# KiCad board rabbit_mask.kicad_pcb (continued)
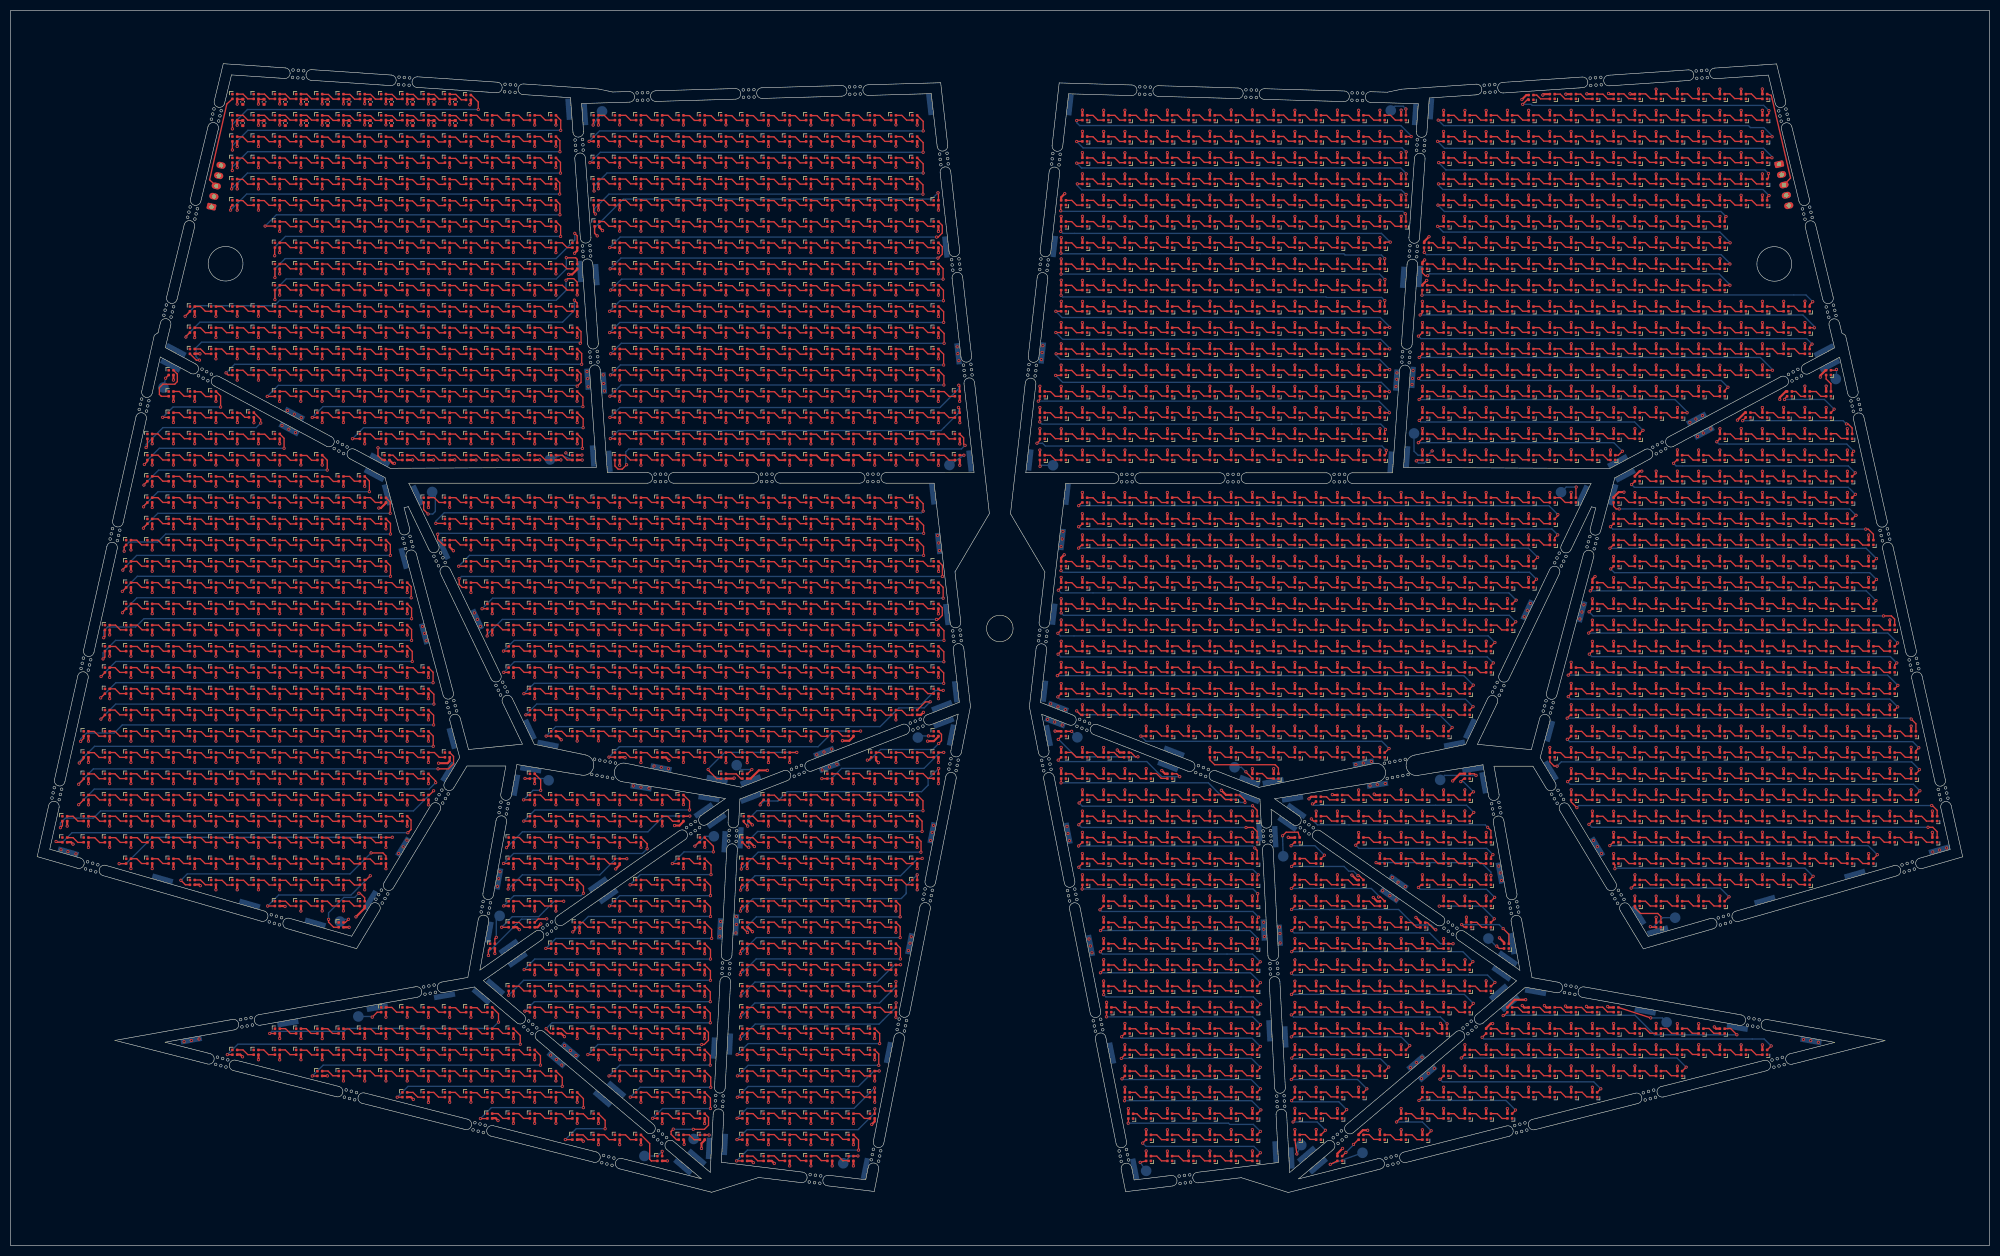
[diagram p0: board, top side]
## Nets (continued)
Net-(D2337-DIN): D2337.1 D2338.3
Net-(D2338-DIN): D2338.1 D2339.3
Net-(D2339-DIN): D2339.1 D2340.3
Net-(D2340-DIN): D2340.1 D2341.3
Net-(D2341-DIN): D2341.1 D2342.3
Net-(D2342-DIN): D2342.1 D2343.3
Net-(D2343-DIN): D2343.1 D2344.3
Net-(D2344-DIN): D2344.1 D2345.3
Net-(D2345-DIN): D2345.1 D2346.3
Net-(D2346-DIN): D2346.1 D2347.3
Net-(D2347-DIN): D2347.1 D2348.3
Net-(D2348-DIN): D2348.1 D2349.3
Net-(D2349-DIN): D2349.1 D2350.3
Net-(D2350-DIN): D2350.1 D2351.3
Net-(D2352-DIN): D2352.1 D2353.3
Net-(D2352-DOUT): D2352.3 D2403.1
Net-(D2353-DIN): D2353.1 D2354.3
Net-(D2354-DIN): D2354.1 D2355.3
Net-(D2355-DIN): D2355.1 D2356.3
Net-(D2356-DIN): D2356.1 D2357.3
Net-(D2357-DIN): D2357.1 D2358.3
Net-(D2358-DIN): D2358.1 D2359.3
Net-(D2359-DIN): D2359.1 D2360.3
Net-(D2360-DIN): D2360.1 D2361.3
Net-(D2361-DIN): D2361.1 D2362.3
Net-(D2362-DIN): D2362.1 D2363.3
Net-(D2363-DIN): D2363.1 D2364.3
Net-(D2364-DIN): D2364.1 D2365.3
Net-(D2365-DIN): D2365.1 D2366.3
Net-(D2367-DIN): D2367.1 D2368.3
Net-(D2367-DOUT): D2367.3 D2423.1
Net-(D2368-DIN): D2368.1 D2369.3
Net-(D2369-DIN): D2369.1 D2370.3
Net-(D2370-DIN): D2370.1 D2371.3
Net-(D2371-DIN): D2371.1 D2372.3
Net-(D2372-DIN): D2372.1 D2373.3
Net-(D2373-DIN): D2373.1 D2374.3
Net-(D2374-DIN): D2374.1 D2375.3
Net-(D2375-DIN): D2375.1 D2376.3
Net-(D2376-DIN): D2376.1 D2377.3
Net-(D2377-DIN): D2377.1 D2378.3
Net-(D2378-DIN): D2378.1 D2379.3
Net-(D2379-DIN): D2379.1 D2380.3
Net-(D2380-DIN): D2380.1 D2381.3
Net-(D2381-DIN): D2381.1 D2382.3
Net-(D2382-DIN): D2382.1 D2383.3
Net-(D2383-DIN): D2383.1 D2384.3
Net-(D2384-DIN): D2384.1 D2385.3
Net-(D2385-DIN): D2385.1 D2386.3
Net-(D2386-DIN): D2386.1 D2387.3
Net-(D2388-DIN): D2388.1 D2389.3
Net-(D2388-DOUT): D2388.3 D2439.1
Net-(D2389-DIN): D2389.1 D2390.3
Net-(D2390-DIN): D2390.1 D2391.3
Net-(D2391-DIN): D2391.1 D2392.3
Net-(D2392-DIN): D2392.1 D2393.3
Net-(D2393-DIN): D2393.1 D2394.3
Net-(D2394-DIN): D2394.1 D2395.3
Net-(D2395-DIN): D2395.1 D2396.3
Net-(D2396-DIN): D2396.1 D2397.3
Net-(D2397-DIN): D2397.1 D2398.3
Net-(D2398-DIN): D2398.1 D2399.3
Net-(D2399-DIN): D2399.1 D2400.3
Net-(D2400-DIN): D2400.1 D2401.3
Net-(D2401-DIN): D2401.1 D2402.3
Net-(D2402-DIN): D2402.1 D2403.3
Net-(D2404-DIN): D2404.1 D2405.3
Net-(D2404-DOUT): D2404.3 D2458.1
Net-(D2405-DIN): D2405.1 D2406.3
Net-(D2406-DIN): D2406.1 D2407.3
Net-(D2407-DIN): D2407.1 D2408.3
Net-(D2408-DIN): D2408.1 D2409.3
Net-(D2409-DIN): D2409.1 D2410.3
Net-(D2410-DIN): D2410.1 D2411.3
Net-(D2411-DIN): D2411.1 D2412.3
Net-(D2412-DIN): D2412.1 D2413.3
Net-(D2413-DIN): D2413.1 D2414.3
Net-(D2414-DIN): D2414.1 D2415.3
Net-(D2415-DIN): D2415.1 D2416.3
Net-(D2416-DIN): D2416.1 D2417.3
Net-(D2417-DIN): D2417.1 D2418.3
Net-(D2418-DIN): D2418.1 D2419.3
Net-(D2419-DIN): D2419.1 D2420.3
Net-(D2420-DIN): D2420.1 D2421.3
Net-(D2421-DIN): D2421.1 D2422.3
Net-(D2422-DIN): D2422.1 D2423.3
Net-(D2424-DIN): D2424.1 D2425.3
Net-(D2424-DOUT): D2424.3 D2474.1
Net-(D2425-DIN): D2425.1 D2426.3
Net-(D2426-DIN): D2426.1 D2427.3
Net-(D2427-DIN): D2427.1 D2428.3
Net-(D2428-DIN): D2428.1 D2429.3
Net-(D2429-DIN): D2429.1 D2430.3
Net-(D2430-DIN): D2430.1 D2431.3
Net-(D2431-DIN): D2431.1 D2432.3
Net-(D2432-DIN): D2432.1 D2433.3
Net-(D2433-DIN): D2433.1 D2434.3
Net-(D2434-DIN): D2434.1 D2435.3
Net-(D2435-DIN): D2435.1 D2436.3
Net-(D2436-DIN): D2436.1 D2437.3
Net-(D2437-DIN): D2437.1 D2438.3
Net-(D2438-DIN): D2438.1 D2439.3
Net-(D2440-DIN): D2440.1 D2441.3
Net-(D2440-DOUT): D2440.3 D2490.1
Net-(D2441-DIN): D2441.1 D2442.3
Net-(D2442-DIN): D2442.1 D2443.3
Net-(D2443-DIN): D2443.1 D2444.3
Net-(D2444-DIN): D2444.1 D2445.3
Net-(D2445-DIN): D2445.1 D2446.3
Net-(D2446-DIN): D2446.1 D2447.3
Net-(D2447-DIN): D2447.1 D2448.3
Net-(D2448-DIN): D2448.1 D2449.3
Net-(D2449-DIN): D2449.1 D2450.3
Net-(D2450-DIN): D2450.1 D2451.3
Net-(D2451-DIN): D2451.1 D2452.3
Net-(D2452-DIN): D2452.1 D2453.3
Net-(D2453-DIN): D2453.1 D2454.3
Net-(D2454-DIN): D2454.1 D2455.3
Net-(D2455-DIN): D2455.1 D2456.3
Net-(D2456-DIN): D2456.1 D2457.3
Net-(D2457-DIN): D2457.1 D2458.3
Net-(D2459-DIN): D2459.1 D2460.3
Net-(D2459-DOUT): D2459.3 D2507.1
Net-(D2460-DIN): D2460.1 D2461.3
Net-(D2461-DIN): D2461.1 D2462.3
Net-(D2462-DIN): D2462.1 D2463.3
Net-(D2463-DIN): D2463.1 D2464.3
Net-(D2464-DIN): D2464.1 D2465.3
Net-(D2465-DIN): D2465.1 D2466.3
Net-(D2466-DIN): D2466.1 D2467.3
Net-(D2467-DIN): D2467.1 D2468.3
Net-(D2468-DIN): D2468.1 D2469.3
Net-(D2469-DIN): D2469.1 D2470.3
Net-(D2470-DIN): D2470.1 D2471.3
Net-(D2471-DIN): D2471.1 D2472.3
Net-(D2472-DIN): D2472.1 D2473.3
Net-(D2473-DIN): D2473.1 D2474.3
Net-(D2475-DOUT): D2475.3 D2511.1
Net-(D2476-DIN): D2476.1 D2477.3
Net-(D2476-DOUT): D2476.3 D2520.1
Net-(D2477-DIN): D2477.1 D2478.3
Net-(D2478-DIN): D2478.1 D2479.3
Net-(D2479-DIN): D2479.1 D2480.3
Net-(D2480-DIN): D2480.1 D2481.3
Net-(D2481-DIN): D2481.1 D2482.3
Net-(D2482-DIN): D2482.1 D2483.3
Net-(D2483-DIN): D2483.1 D2484.3
Net-(D2484-DIN): D2484.1 D2485.3
Net-(D2485-DIN): D2485.1 D2486.3
Net-(D2486-DIN): D2486.1 D2487.3
Net-(D2487-DIN): D2487.1 D2488.3
Net-(D2488-DIN): D2488.1 D2489.3
Net-(D2489-DIN): D2489.1 D2490.3
Net-(D2491-DIN): D2491.1 D2492.3
Net-(D2491-DOUT): D2491.3 D2538.1
Net-(D2492-DIN): D2492.1 D2493.3
Net-(D2493-DIN): D2493.1 D2494.3
Net-(D2494-DIN): D2494.1 D2495.3
Net-(D2495-DIN): D2495.1 D2496.3
Net-(D2496-DIN): D2496.1 D2497.3
Net-(D2497-DIN): D2497.1 D2498.3
Net-(D2498-DIN): D2498.1 D2499.3
Net-(D2499-DIN): D2499.1 D2500.3
Net-(D2500-DIN): D2500.1 D2501.3
Net-(D2501-DIN): D2501.1 D2502.3
Net-(D2502-DIN): D2502.1 D2503.3
Net-(D2503-DIN): D2503.1 D2504.3
Net-(D2504-DIN): D2504.1 D2505.3
Net-(D2505-DIN): D2505.1 D2506.3
Net-(D2506-DIN): D2506.1 D2507.3
Net-(D2508-DIN): D2508.1 D2509.3
Net-(D2508-DOUT): D2508.3 D2544.1
Net-(D2509-DIN): D2509.1 D2510.3
Net-(D2510-DIN): D2510.1 D2511.3
Net-(D2512-DIN): D2512.1 D2513.3
Net-(D2512-DOUT): D2512.3 D2546.1
Net-(D2513-DIN): D2513.1 D2514.3
Net-(D2514-DIN): D2514.1 D2515.3
Net-(D2515-DIN): D2515.1 D2516.3
Net-(D2516-DIN): D2516.1 D2517.3
Net-(D2517-DIN): D2517.1 D2518.3
Net-(D2518-DIN): D2518.1 D2519.3
Net-(D2519-DIN): D2519.1 D2520.3
Net-(D2521-DIN): D2521.1 D2522.3
Net-(D2521-DOUT): D2521.3 D2564.1
Net-(D2522-DIN): D2522.1 D2523.3
Net-(D2523-DIN): D2523.1 D2524.3
Net-(D2524-DIN): D2524.1 D2525.3
Net-(D2525-DIN): D2525.1 D2526.3
Net-(D2526-DIN): D2526.1 D2527.3
Net-(D2527-DIN): D2527.1 D2528.3
Net-(D2528-DIN): D2528.1 D2529.3
Net-(D2529-DIN): D2529.1 D2530.3
Net-(D2530-DIN): D2530.1 D2531.3
Net-(D2531-DIN): D2531.1 D2532.3
Net-(D2532-DIN): D2532.1 D2533.3
Net-(D2533-DIN): D2533.1 D2534.3
Net-(D2534-DIN): D2534.1 D2535.3
Net-(D2535-DIN): D2535.1 D2536.3
Net-(D2536-DIN): D2536.1 D2537.3
Net-(D2537-DIN): D2537.1 D2538.3
Net-(D2539-DIN): D2539.1 D2540.3
Net-(D2539-DOUT): D2539.3 D2572.1
Net-(D2540-DIN): D2540.1 D2541.3
Net-(D2541-DIN): D2541.1 D2542.3
Net-(D2542-DIN): D2542.1 D2543.3
Net-(D2543-DIN): D2543.1 D2544.3
Net-(D2545-DIN): D2545.1 D2546.3
Net-(D2547-DOUT): D2547.3 D2580.1
Net-(D2548-DIN): D2548.1 D2549.3
Net-(D2548-DOUT): D2548.3 D2597.1
Net-(D2549-DIN): D2549.1 D2550.3
Net-(D2550-DIN): D2550.1 D2551.3
Net-(D2551-DIN): D2551.1 D2552.3
Net-(D2552-DIN): D2552.1 D2553.3
Net-(D2553-DIN): D2553.1 D2554.3
Net-(D2554-DIN): D2554.1 D2555.3
Net-(D2555-DIN): D2555.1 D2556.3
Net-(D2556-DIN): D2556.1 D2557.3
Net-(D2557-DIN): D2557.1 D2558.3
Net-(D2558-DIN): D2558.1 D2559.3
Net-(D2559-DIN): D2559.1 D2560.3
Net-(D2560-DIN): D2560.1 D2561.3
Net-(D2561-DIN): D2561.1 D2562.3
Net-(D2562-DIN): D2562.1 D2563.3
Net-(D2563-DIN): D2563.1 D2564.3
Net-(D2565-DIN): D2565.1 D2566.3
Net-(D2565-DOUT): D2565.3 D2606.1
Net-(D2566-DIN): D2566.1 D2567.3
Net-(D2567-DIN): D2567.1 D2568.3
Net-(D2568-DIN): D2568.1 D2569.3
Net-(D2569-DIN): D2569.1 D2570.3
Net-(D2570-DIN): D2570.1 D2571.3
Net-(D2571-DIN): D2571.1 D2572.3
Net-(D2573-DIN): D2573.1 D2574.3
Net-(D2573-DOUT): D2573.3 D2614.1
Net-(D2574-DIN): D2574.1 D2575.3
Net-(D2575-DIN): D2575.1 D2576.3
Net-(D2576-DIN): D2576.1 D2577.3
Net-(D2577-DIN): D2577.1 D2578.3
Net-(D2578-DIN): D2578.1 D2579.3
Net-(D2579-DIN): D2579.1 D2580.3
Net-(D2581-DIN): D2581.1 D2582.3
Net-(D2581-DOUT): D2581.3 D2631.1
Net-(D2582-DIN): D2582.1 D2583.3
Net-(D2583-DIN): D2583.1 D2584.3
Net-(D2584-DIN): D2584.1 D2585.3
Net-(D2585-DIN): D2585.1 D2586.3
Net-(D2586-DIN): D2586.1 D2587.3
Net-(D2587-DIN): D2587.1 D2588.3
Net-(D2588-DIN): D2588.1 D2589.3
Net-(D2589-DIN): D2589.1 D2590.3
Net-(D2590-DIN): D2590.1 D2591.3
Net-(D2591-DIN): D2591.1 D2592.3
Net-(D2592-DIN): D2592.1 D2593.3
Net-(D2593-DIN): D2593.1 D2594.3
Net-(D2594-DIN): D2594.1 D2595.3
Net-(D2595-DIN): D2595.1 D2596.3
Net-(D2596-DIN): D2596.1 D2597.3
Net-(D2598-DIN): D2598.1 D2599.3
Net-(D2598-DOUT): D2598.3 D2640.1
Net-(D2599-DIN): D2599.1 D2600.3
Net-(D2600-DIN): D2600.1 D2601.3
Net-(D2601-DIN): D2601.1 D2602.3
Net-(D2602-DIN): D2602.1 D2603.3
Net-(D2603-DIN): D2603.1 D2604.3
Net-(D2604-DIN): D2604.1 D2605.3
Net-(D2605-DIN): D2605.1 D2606.3
Net-(D2607-DIN): D2607.1 D2608.3
Net-(D2607-DOUT): D2607.3 D2648.1
Net-(D2608-DIN): D2608.1 D2609.3
Net-(D2609-DIN): D2609.1 D2610.3
Net-(D2610-DIN): D2610.1 D2611.3
Net-(D2611-DIN): D2611.1 D2612.3
Net-(D2612-DIN): D2612.1 D2613.3
Net-(D2613-DIN): D2613.1 D2614.3
Net-(D2615-DIN): D2615.1 D2616.3
Net-(D2615-DOUT): D2615.3 D2664.1
Net-(D2616-DIN): D2616.1 D2617.3
Net-(D2617-DIN): D2617.1 D2618.3
Net-(D2618-DIN): D2618.1 D2619.3
Net-(D2619-DIN): D2619.1 D2620.3
Net-(D2620-DIN): D2620.1 D2621.3
Net-(D2621-DIN): D2621.1 D2622.3
Net-(D2622-DIN): D2622.1 D2623.3
Net-(D2623-DIN): D2623.1 D2624.3
Net-(D2624-DIN): D2624.1 D2625.3
Net-(D2625-DIN): D2625.1 D2626.3
Net-(D2626-DIN): D2626.1 D2627.3
Net-(D2627-DIN): D2627.1 D2628.3
Net-(D2628-DIN): D2628.1 D2629.3
Net-(D2629-DIN): D2629.1 D2630.3
Net-(D2630-DIN): D2630.1 D2631.3
Net-(D2632-DIN): D2632.1 D2633.3
Net-(D2632-DOUT): D2632.3 D2673.1
Net-(D2633-DIN): D2633.1 D2634.3
Net-(D2634-DIN): D2634.1 D2635.3
Net-(D2635-DIN): D2635.1 D2636.3
Net-(D2636-DIN): D2636.1 D2637.3
Net-(D2637-DIN): D2637.1 D2638.3
Net-(D2638-DIN): D2638.1 D2639.3
Net-(D2639-DIN): D2639.1 D2640.3
Net-(D2641-DOUT): D2641.3 D2675.1
Net-(D2642-DIN): D2642.1 D2643.3
Net-(D2642-DOUT): D2642.3 D2681.1
Net-(D2643-DIN): D2643.1 D2644.3
Net-(D2644-DIN): D2644.1 D2645.3
Net-(D2645-DIN): D2645.1 D2646.3
Net-(D2646-DIN): D2646.1 D2647.3
Net-(D2647-DIN): D2647.1 D2648.3
Net-(D2649-DIN): D2649.1 D2650.3
Net-(D2649-DOUT): D2649.3 D2694.1
Net-(D2650-DIN): D2650.1 D2651.3
Net-(D2651-DIN): D2651.1 D2652.3
Net-(D2652-DIN): D2652.1 D2653.3
Net-(D2653-DIN): D2653.1 D2654.3
Net-(D2654-DIN): D2654.1 D2655.3
Net-(D2655-DIN): D2655.1 D2656.3
Net-(D2656-DIN): D2656.1 D2657.3
Net-(D2657-DIN): D2657.1 D2658.3
Net-(D2658-DIN): D2658.1 D2659.3
Net-(D2659-DIN): D2659.1 D2660.3
Net-(D2660-DIN): D2660.1 D2661.3
Net-(D2661-DIN): D2661.1 D2662.3
Net-(D2662-DIN): D2662.1 D2663.3
Net-(D2663-DIN): D2663.1 D2664.3
Net-(D2665-DIN): D2665.1 D2666.3
Net-(D2665-DOUT): D2665.3 D2703.1
Net-(D2666-DIN): D2666.1 D2667.3
Net-(D2667-DIN): D2667.1 D2668.3
Net-(D2668-DIN): D2668.1 D2669.3
Net-(D2669-DIN): D2669.1 D2670.3
Net-(D2670-DIN): D2670.1 D2671.3
Net-(D2671-DIN): D2671.1 D2672.3
Net-(D2672-DIN): D2672.1 D2673.3
Net-(D2674-DIN): D2674.1 D2675.3
Net-(D2674-DOUT): D2674.3 D2707.1
Net-(D2676-DIN): D2676.1 D2677.3
Net-(D2676-DOUT): D2676.3 D2711.1
Net-(D2677-DIN): D2677.1 D2678.3
Net-(D2678-DIN): D2678.1 D2679.3
Net-(D2679-DIN): D2679.1 D2680.3
Net-(D2680-DIN): D2680.1 D2681.3
Net-(D2682-DIN): D2682.1 D2683.3
Net-(D2682-DOUT): D2682.3 D2720.1
Net-(D2683-DIN): D2683.1 D2684.3
Net-(D2684-DIN): D2684.1 D2685.3
Net-(D2685-DIN): D2685.1 D2686.3
Net-(D2686-DIN): D2686.1 D2687.3
Net-(D2687-DIN): D2687.1 D2688.3
Net-(D2688-DIN): D2688.1 D2689.3
Net-(D2689-DIN): D2689.1 D2690.3
Net-(D2690-DIN): D2690.1 D2691.3
Net-(D2691-DIN): D2691.1 D2692.3
Net-(D2692-DIN): D2692.1 D2693.3
Net-(D2693-DIN): D2693.1 D2694.3
Net-(D2695-DIN): D2695.1 D2696.3
Net-(D2695-DOUT): D2695.3 D2728.1
Net-(D2696-DIN): D2696.1 D2697.3
Net-(D2697-DIN): D2697.1 D2698.3
Net-(D2698-DIN): D2698.1 D2699.3
Net-(D2699-DIN): D2699.1 D2700.3
Net-(D2700-DIN): D2700.1 D2701.3
Net-(D2701-DIN): D2701.1 D2702.3
Net-(D2702-DIN): D2702.1 D2703.3
Net-(D2704-DIN): D2704.1 D2705.3
Net-(D2704-DOUT): D2704.3 D2733.1
Net-(D2705-DIN): D2705.1 D2706.3
Net-(D2706-DIN): D2706.1 D2707.3
Net-(D2708-DIN): D2708.1 D2709.3
Net-(D2708-DOUT): D2708.3 D2736.1
Net-(D2709-DIN): D2709.1 D2710.3
Net-(D2710-DIN): D2710.1 D2711.3
Net-(D2712-DIN): D2712.1 D2713.3
Net-(D2712-DOUT): D2712.3 D2741.1
Net-(D2713-DIN): D2713.1 D2714.3
Net-(D2714-DIN): D2714.1 D2715.3
Net-(D2715-DIN): D2715.1 D2716.3
Net-(D2716-DIN): D2716.1 D2717.3
Net-(D2717-DIN): D2717.1 D2718.3
Net-(D2718-DIN): D2718.1 D2719.3
Net-(D2719-DIN): D2719.1 D2720.3
Net-(D2721-DIN): D2721.1 D2722.3
Net-(D2721-DOUT): D2721.3 D2749.1
Net-(D2722-DIN): D2722.1 D2723.3
Net-(D2723-DIN): D2723.1 D2724.3
Net-(D2724-DIN): D2724.1 D2725.3
Net-(D2725-DIN): D2725.1 D2726.3
Net-(D2726-DIN): D2726.1 D2727.3
Net-(D2727-DIN): D2727.1 D2728.3
Net-(D2729-DIN): D2729.1 D2730.3
Net-(D2729-DOUT): D2729.3 D2756.1
Net-(D2730-DIN): D2730.1 D2731.3
Net-(D2731-DIN): D2731.1 D2732.3
Net-(D2732-DIN): D2732.1 D2733.3
Net-(D2734-DIN): D2734.1 D2735.3
Net-(D2734-DOUT): D2734.3 D2758.1
Net-(D2735-DIN): D2735.1 D2736.3
Net-(D2737-DIN): D2737.1 D2738.3
Net-(D2737-DOUT): D2737.3 D2759.1
Net-(D2738-DIN): D2738.1 D2739.3
Net-(D2739-DIN): D2739.1 D2740.3
Net-(D2740-DIN): D2740.1 D2741.3
Net-(D2742-DIN): D2742.1 D2743.3
Net-(D2742-DOUT): D2742.3 D2767.1
Net-(D2743-DIN): D2743.1 D2744.3
Net-(D2744-DIN): D2744.1 D2745.3
Net-(D2745-DIN): D2745.1 D2746.3
Net-(D2746-DIN): D2746.1 D2747.3
Net-(D2747-DIN): D2747.1 D2748.3
Net-(D2748-DIN): D2748.1 D2749.3
Net-(D2750-DIN): D2750.1 D2751.3
Net-(D2750-DOUT): D2750.3 D2775.1
Net-(D2751-DIN): D2751.1 D2752.3
Net-(D2752-DIN): D2752.1 D2753.3
Net-(D2753-DIN): D2753.1 D2754.3
Net-(D2754-DIN): D2754.1 D2755.3
Net-(D2755-DIN): D2755.1 D2756.3
Net-(D2757-DIN): D2757.1 D2758.3
Net-(D2757-DOUT): D2757.3 D2776.1
Net-(D2760-DIN): D2760.1 D2761.3
Net-(D2760-DOUT): D2760.3 D2784.1
Net-(D2761-DIN): D2761.1 D2762.3
Net-(D2762-DIN): D2762.1 D2763.3
Net-(D2763-DIN): D2763.1 D2764.3
Net-(D2764-DIN): D2764.1 D2765.3
Net-(D2765-DIN): D2765.1 D2766.3
Net-(D2766-DIN): D2766.1 D2767.3
Net-(D2768-DIN): D2768.1 D2769.3
Net-(D2768-DOUT): D2768.3 D2793.1
Net-(D2769-DIN): D2769.1 D2770.3
Net-(D2770-DIN): D2770.1 D2771.3
Net-(D2771-DIN): D2771.1 D2772.3
Net-(D2772-DIN): D2772.1 D2773.3
Net-(D2773-DIN): D2773.1 D2774.3
Net-(D2774-DIN): D2774.1 D2775.3
Net-(D2777-DIN): D2777.1 D2778.3
Net-(D2777-DOUT): D2777.3 D2801.1
Net-(D2778-DIN): D2778.1 D2779.3
Net-(D2779-DIN): D2779.1 D2780.3
Net-(D2780-DIN): D2780.1 D2781.3
Net-(D2781-DIN): D2781.1 D2782.3
Net-(D2782-DIN): D2782.1 D2783.3
Net-(D2783-DIN): D2783.1 D2784.3
Net-(D2785-DIN): D2785.1 D2786.3
Net-(D2785-DOUT): D2785.3 D2811.1
Net-(D2786-DIN): D2786.1 D2787.3
Net-(D2787-DIN): D2787.1 D2788.3
Net-(D2788-DIN): D2788.1 D2789.3
Net-(D2789-DIN): D2789.1 D2790.3
Net-(D2790-DIN): D2790.1 D2791.3
Net-(D2791-DIN): D2791.1 D2792.3
Net-(D2792-DIN): D2792.1 D2793.3
Net-(D2794-DIN): D2794.1 D2795.3
Net-(D2794-DOUT): D2794.3 D2819.1
Net-(D2795-DIN): D2795.1 D2796.3
Net-(D2796-DIN): D2796.1 D2797.3
Net-(D2797-DIN): D2797.1 D2798.3
Net-(D2798-DIN): D2798.1 D2799.3
Net-(D2799-DIN): D2799.1 D2800.3
Net-(D2800-DIN): D2800.1 D2801.3
Net-(D2802-DIN): D2802.1 D2803.3
Net-(D2802-DOUT): D2802.3 D2828.1
Net-(D2803-DIN): D2803.1 D2804.3
Net-(D2804-DIN): D2804.1 D2805.3
Net-(D2805-DIN): D2805.1 D2806.3
Net-(D2806-DIN): D2806.1 D2807.3
Net-(D2807-DIN): D2807.1 D2808.3
Net-(D2808-DIN): D2808.1 D2809.3
Net-(D2809-DIN): D2809.1 D2810.3
Net-(D2810-DIN): D2810.1 D2811.3
Net-(D2812-DIN): D2812.1 D2813.3
Net-(D2812-DOUT): D2812.3 D2841.1
Net-(D2813-DIN): D2813.1 D2814.3
Net-(D2814-DIN): D2814.1 D2815.3
Net-(D2815-DIN): D2815.1 D2816.3
Net-(D2816-DIN): D2816.1 D2817.3
Net-(D2817-DIN): D2817.1 D2818.3
Net-(D2818-DIN): D2818.1 D2819.3
Net-(D2820-DIN): D2820.1 D2821.3
Net-(D2820-DOUT): D2820.3 D2849.1
Net-(D2821-DIN): D2821.1 D2822.3
Net-(D2822-DIN): D2822.1 D2823.3
Net-(D2823-DIN): D2823.1 D2824.3
Net-(D2824-DIN): D2824.1 D2825.3
Net-(D2825-DIN): D2825.1 D2826.3
Net-(D2826-DIN): D2826.1 D2827.3
Net-(D2827-DIN): D2827.1 D2828.3
Net-(D2829-DIN): D2829.1 D2830.3
Net-(D2829-DOUT): D2829.3 D2861.1
Net-(D2830-DIN): D2830.1 D2831.3
Net-(D2831-DIN): D2831.1 D2832.3
Net-(D2832-DIN): D2832.1 D2833.3
Net-(D2833-DIN): D2833.1 D2834.3
Net-(D2835-DIN): D2835.1 D2836.3
Net-(D2835-DOUT): D2835.3 D2868.1
Net-(D2836-DIN): D2836.1 D2837.3
Net-(D2837-DIN): D2837.1 D2838.3
Net-(D2838-DIN): D2838.1 D2839.3
Net-(D2839-DIN): D2839.1 D2840.3
Net-(D2840-DIN): D2840.1 D2841.3
Net-(D2842-DIN): D2842.1 D2843.3
Net-(D2842-DOUT): D2842.3 D2874.1
Net-(D2843-DIN): D2843.1 D2844.3
Net-(D2844-DIN): D2844.1 D2845.3
Net-(D2845-DIN): D2845.1 D2846.3
Net-(D2846-DIN): D2846.1 D2847.3
Net-(D2847-DIN): D2847.1 D2848.3
Net-(D2848-DIN): D2848.1 D2849.3
Net-(D2850-DIN): D2850.1 D2851.3
Net-(D2850-DOUT): D2850.3 D2889.1
Net-(D2851-DIN): D2851.1 D2852.3
Net-(D2852-DIN): D2852.1 D2853.3
Net-(D2853-DIN): D2853.1 D2854.3
Net-(D2854-DIN): D2854.1 D2855.3
Net-(D2855-DIN): D2855.1 D2856.3
Net-(D2856-DIN): D2856.1 D2857.3
Net-(D2857-DIN): D2857.1 D2858.3
Net-(D2858-DIN): D2858.1 D2859.3
Net-(D2859-DIN): D2859.1 D2860.3
Net-(D2860-DIN): D2860.1 D2861.3
Net-(D2862-DIN): D2862.1 D2863.3
Net-(D2862-DOUT): D2862.3 D2896.1
Net-(D2863-DIN): D2863.1 D2864.3
Net-(D2864-DIN): D2864.1 D2865.3
Net-(D2865-DIN): D2865.1 D2866.3
Net-(D2866-DIN): D2866.1 D2867.3
Net-(D2867-DIN): D2867.1 D2868.3
Net-(D2869-DIN): D2869.1 D2870.3
Net-(D2869-DOUT): D2869.3 D2901.1
Net-(D2870-DIN): D2870.1 D2871.3
Net-(D2871-DIN): D2871.1 D2872.3
Net-(D2872-DIN): D2872.1 D2873.3
Net-(D2873-DIN): D2873.1 D2874.3
Net-(D2875-DIN): D2875.1 D2876.3
Net-(D2875-DOUT): D2875.3 D2913.1
Net-(D2876-DIN): D2876.1 D2877.3
Net-(D2877-DIN): D2877.1 D2878.3
Net-(D2878-DIN): D2878.1 D2879.3
Net-(D2879-DIN): D2879.1 D2880.3
Net-(D2880-DIN): D2880.1 D2881.3
Net-(D2881-DIN): D2881.1 D2882.3
Net-(D2882-DIN): D2882.1 D2883.3
Net-(D2883-DIN): D2883.1 D2884.3
Net-(D2884-DIN): D2884.1 D2885.3
Net-(D2885-DIN): D2885.1 D2886.3
Net-(D2886-DIN): D2886.1 D2887.3
Net-(D2887-DIN): D2887.1 D2888.3
Net-(D2888-DIN): D2888.1 D2889.3
Net-(D2890-DIN): D2890.1 D2891.3
Net-(D2890-DOUT): D2890.3 D2920.1
Net-(D2891-DIN): D2891.1 D2892.3
Net-(D2892-DIN): D2892.1 D2893.3
Net-(D2893-DIN): D2893.1 D2894.3
Net-(D2894-DIN): D2894.1 D2895.3
Net-(D2895-DIN): D2895.1 D2896.3
Net-(D2897-DIN): D2897.1 D2898.3
Net-(D2897-DOUT): D2897.3 D2924.1
Net-(D2898-DIN): D2898.1 D2899.3
Net-(D2899-DIN): D2899.1 D2900.3
Net-(D2900-DIN): D2900.1 D2901.3
Net-(D2902-DIN): D2902.1 D2903.3
Net-(D2902-DOUT): D2902.3 D2933.1
Net-(D2903-DIN): D2903.1 D2904.3
Net-(D2904-DIN): D2904.1 D2905.3
Net-(D2905-DIN): D2905.1 D2906.3
Net-(D2906-DIN): D2906.1 D2907.3
Net-(D2907-DIN): D2907.1 D2908.3
Net-(D2908-DIN): D2908.1 D2909.3
Net-(D2909-DIN): D2909.1 D2910.3
Net-(D2910-DIN): D2910.1 D2911.3
Net-(D2911-DIN): D2911.1 D2912.3
Net-(D2912-DIN): D2912.1 D2913.3
Net-(D2914-DIN): D2914.1 D2915.3
Net-(D2914-DOUT): D2914.3 D2940.1
Net-(D2915-DIN): D2915.1 D2916.3
Net-(D2916-DIN): D2916.1 D2917.3
Net-(D2917-DIN): D2917.1 D2918.3
Net-(D2918-DIN): D2918.1 D2919.3
Net-(D2919-DIN): D2919.1 D2920.3
Net-(D2921-DIN): D2921.1 D2922.3
Net-(D2921-DOUT): D2921.3 D2943.1
Net-(D2922-DIN): D2922.1 D2923.3
Net-(D2923-DIN): D2923.1 D2924.3
Net-(D2925-DIN): D2925.1 D2926.3
Net-(D2925-DOUT): D2925.3 D2949.1
Net-(D2926-DIN): D2926.1 D2927.3
Net-(D2927-DIN): D2927.1 D2928.3
Net-(D2928-DIN): D2928.1 D2929.3
Net-(D2929-DIN): D2929.1 D2930.3
Net-(D2930-DIN): D2930.1 D2931.3
Net-(D2931-DIN): D2931.1 D2932.3
Net-(D2932-DIN): D2932.1 D2933.3
Net-(D2934-DIN): D2934.1 D2935.3
Net-(D2934-DOUT): D2934.3 D2955.1
Net-(D2935-DIN): D2935.1 D2936.3
Net-(D2936-DIN): D2936.1 D2937.3
Net-(D2937-DIN): D2937.1 D2938.3
Net-(D2938-DIN): D2938.1 D2939.3
Net-(D2939-DIN): D2939.1 D2940.3
Net-(D2941-DIN): D2941.1 D2942.3
Net-(D2941-DOUT): D2941.3 D2957.1
Net-(D2942-DIN): D2942.1 D2943.3
Net-(D2944-DIN): D2944.1 D2945.3
Net-(D2944-DOUT): D2944.3 D2961.1
Net-(D2945-DIN): D2945.1 D2946.3
Net-(D2946-DIN): D2946.1 D2947.3
Net-(D2947-DIN): D2947.1 D2948.3
Net-(D2948-DIN): D2948.1 D2949.3
Net-(D2950-DIN): D2950.1 D2951.3
Net-(D2950-DOUT): D2950.3 D2967.1
Net-(D2951-DIN): D2951.1 D2952.3
Net-(D2952-DIN): D2952.1 D2953.3
Net-(D2953-DIN): D2953.1 D2954.3
Net-(D2954-DIN): D2954.1 D2955.3
Net-(D2956-DIN): D2956.1 D2957.3
Net-(D2958-DIN): D2958.1 D2959.3
Net-(D2958-DOUT): D2958.3 D2968.1
Net-(D2959-DIN): D2959.1 D2960.3
Net-(D2960-DIN): D2960.1 D2961.3
Net-(D2962-DIN): D2962.1 D2963.3
Net-(D2963-DIN): D2963.1 D2964.3
Net-(D2964-DIN): D2964.1 D2965.3
Net-(D2965-DIN): D2965.1 D2966.3
Net-(D2966-DIN): D2966.1 D2967.3

## Via types
v1: diameter 0.6, hole 0.3, Top to Bottom, 3602 vias

## Routing (per net, layer and track width the routed paths; a pad name or vN(x,y) marks a point on that pad's centre or on a via; arc(x,y) is an arc through that point)
GND: length 2.7
  Bottom w0.25: v1(104.52,149.24) 104.95,148.81 D565.4 ; v1(267.57,149.61) 266.77,148.81 D1625.4
  vias: v1(9.47,74.51) v1(10.78,74.16) v1(12.3,73.74) v1(32.65,38.36) v1(34,38.59) v1(35.47,38.86) v1(51.08,154.41) v1(52.12,157.24) v1(52.38,153.71) v1(53.4,156.54) v1(53.62,153.06) v1(54.7,155.89) v1(73.05,73.81) v1(73.9,75.06) v1(74.6,76.31) v1(77.53,116.54) v1(77.9,115.26) v1(78.23,113.86) v1(87.3,119.11) v1(87.85,117.89) v1(88.42,116.59) v1(91.62,67.64) v1(91.88,69.04) v1(92.12,70.36) v1(101.65,35.84) v1(102.73,34.99) v1(103.75,33.96) v1(104.27,37.61) v1(105.35,36.71) v1(106.42,35.76) v1(108.5,164.59) v1(108.63,163.21) v1(108.73,161.69) v1(111.55,163.94) v1(111.65,162.31) v1(111.77,160.91) v1(117.2,86.54) v1(118.65,86.29) v1(120.17,86.09) v1(121.13,90.26) v1(122.48,90.04) v1(123.83,89.76) v1(133.55,59.71) v1(133.5,58.21) v1(133.65,61.01) v1(136.52,58.84) v1(136.62,61.89) v1(136.6,60.44) v1(151.75,92.39) v1(152.77,89.54) v1(153.1,92.91) v1(154.15,90.11) v1(154.55,93.46) v1(155.55,90.61) v1(168.97,55.54) v1(169.3,56.91) v1(169.55,58.11) v1(173.17,76.26) v1(173.47,77.79) v1(173.72,79.11) v1(174.5,133.71) v1(174.7,132.29) v1(174.82,130.84) v1(178.17,169.21) v1(178.3,167.94) v1(178.5,166.61) v1(194,166.81) v1(194.17,168.16) v1(194.3,169.44) v1(195.2,99.06) v1(195.77,101.99) v1(196.52,98.56) v1(197.15,101.41) v1(197.75,131.6) v1(197.95,133.04) v1(197.95,97.99) v1(198.08,134.47) v1(198.52,100.89) v1(198.85,78.91) v1(199.02,77.56) v1(199.3,76.21) v1(203,57.69) v1(203.25,56.39) v1(203.55,55.11) v1(235.88,60.86) v1(235.9,59.54) v1(236,58.16) v1(238.85,59.94) v1(238.93,58.74) v1(238.97,56.96) v1(253.22,90.56) v1(254.62,90.84) v1(255.9,86.54) v1(256.15,91.14) v1(257.25,86.76) v1(258.27,66.79) v1(258.75,86.99) v1(259.62,65.86) v1(260.07,69.29) v1(260.77,161.74) v1(260.8,65.04) v1(260.93,163.11) v1(260.95,164.31) v1(261.18,68.41) v1(262.52,67.56) v1(263.47,33.49) v1(263.8,162.14) v1(263.9,163.29) v1(264,164.74) v1(264.62,34.44) v1(265.57,31.39) v1(265.68,35.44) v1(266.85,32.41) v1(268,33.36) v1(280.12,71.44) v1(280.4,70.14) v1(280.65,68.71) v1(284.93,118.39) v1(285.5,119.61) v1(286.05,120.89) v1(295.4,117.96) v1(295.77,119.29) v1(296.15,120.64) v1(297.95,76.29) v1(298.68,75.09) v1(299.45,73.81) v1(316.1,154.99) v1(317.22,155.61) v1(317.55,152.36) v1(318.47,156.26) v1(318.62,152.99) v1(320.05,153.76) v1(337.47,38.74) v1(338.85,38.56) v1(340.27,38.26) v1(361.82,74.09) v1(363.07,74.46) v1(364.43,74.86)
VCC: length 2953
  Top w0.25: C1485#21.1 78.72,215.84 ; C1485#3.1 58.72,215.84 ; C1485#17.1 46.72,215.84 ; C1485#2.1 70.72,211.84 ; C1485#20.1 50.72,211.84 ; C1485#6.1 78.72,211.84 ; C1485#10.1 42.72,215.84 D1.2 ; C1485#18.1 82.72,215.84 ; C1485#22.1 74.72,215.84 ; C1485#19.1 62.72,215.84 ; C1485#5.1 46.72,211.84 ; C1485#11.1 66.72,215.84 ; C1485#7.1 50.72,215.84 ; C1485#12.1 74.72,211.84 ; C1485#14.1 54.72,211.84 ; C1485#9.1 66.72,211.84 ; C1485#16.1 54.72,215.84 ; C1485.1 82.72,211.84 ; C1485#13.1 58.72,211.84 ; C1485#8.1 70.72,215.84 ; C1485#4.1 42.72,211.84 ; C1485#15.1 62.72,211.84